# KiCad board sizif128.kicad_pcb (continued)
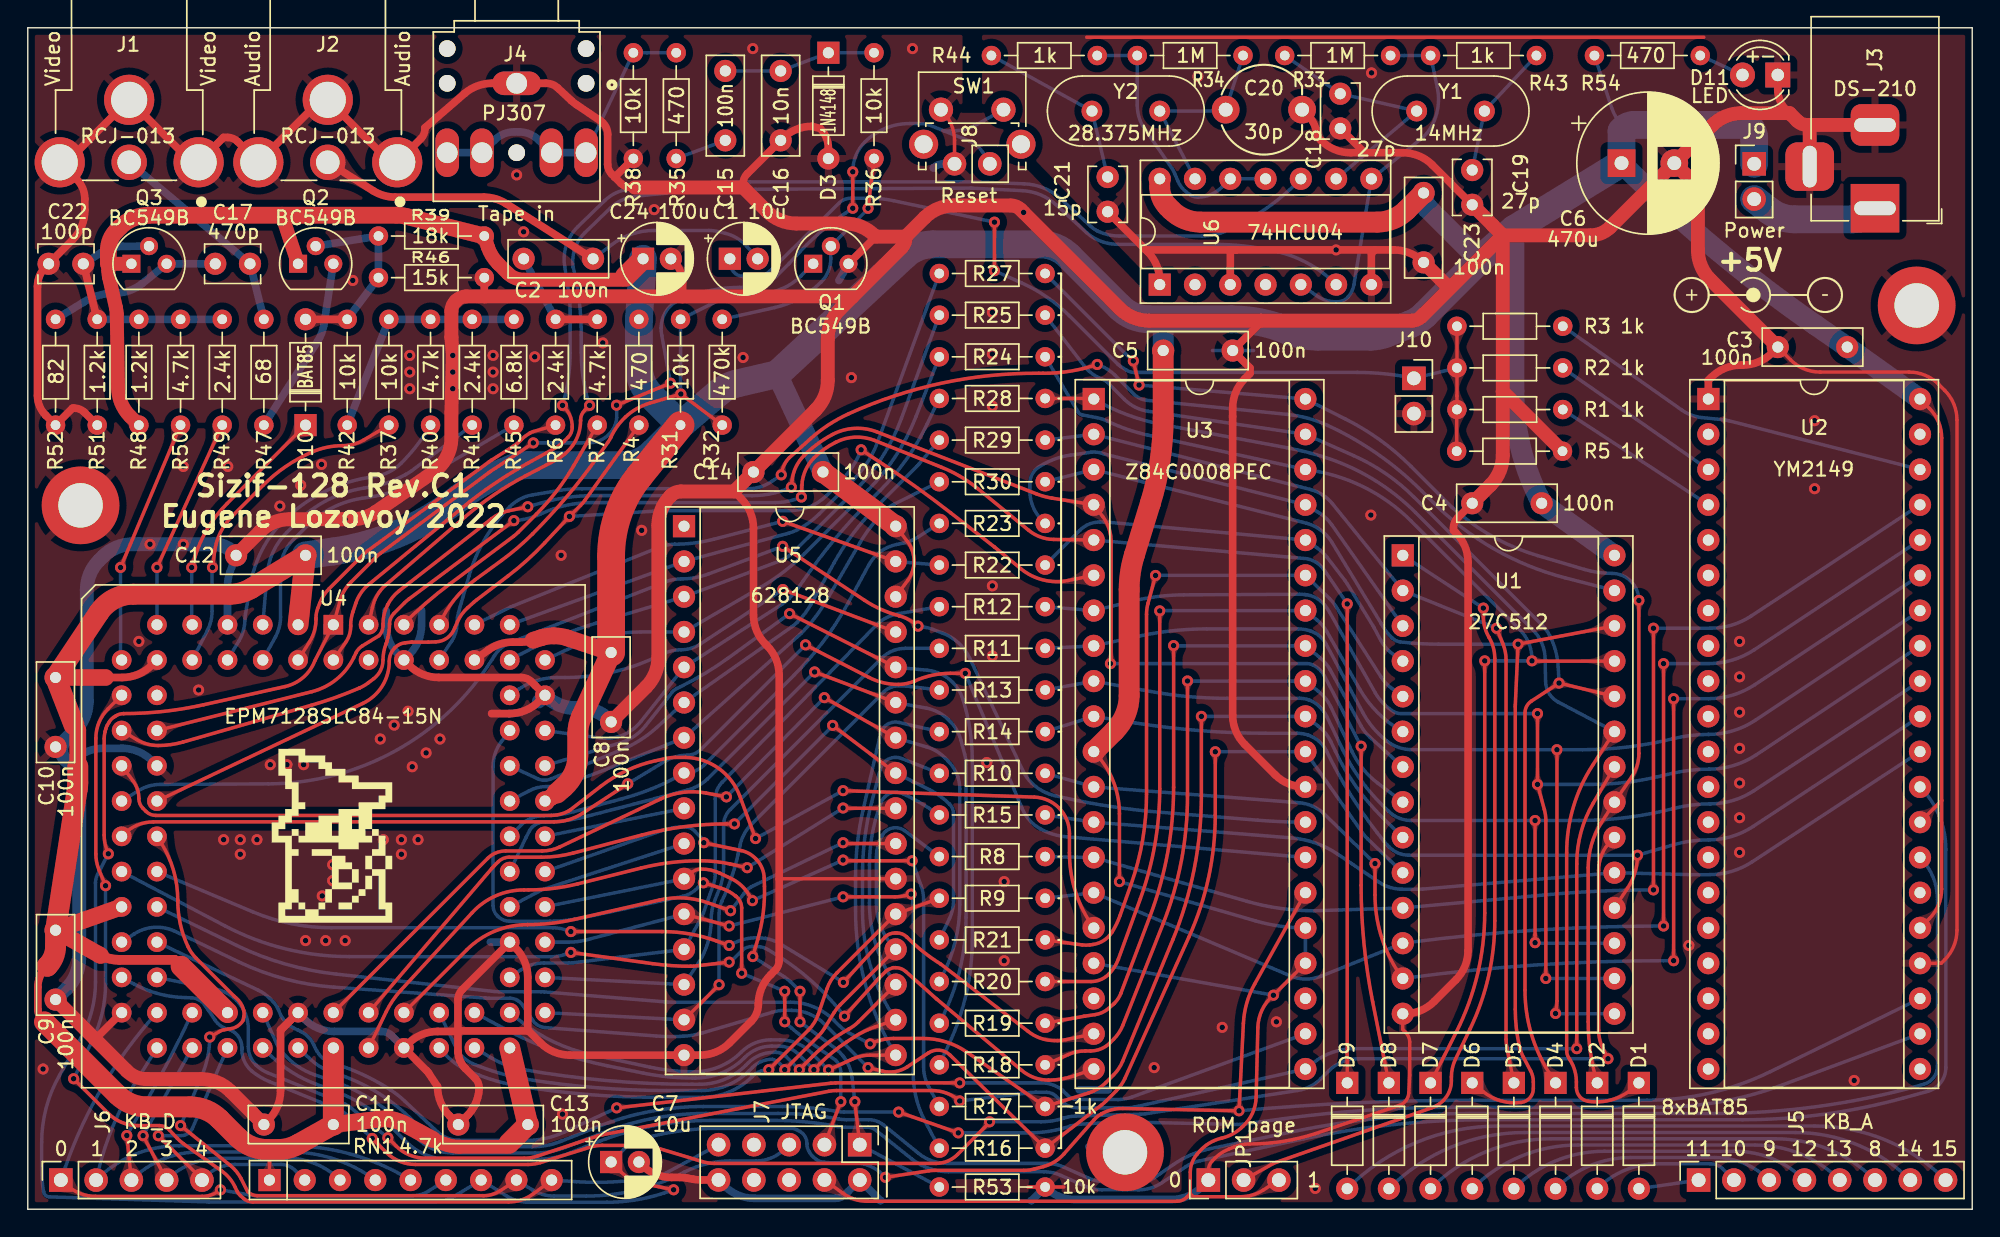
[diagram p0: board, top side]
## Copper pours and planes (outline as drawn; the poured copper is in the pictures) (continued)
SOUND on Top: 39.21,69.08 39.36,68.98 39.48,68.88 39.57,68.79 39.65,68.7 39.71,68.6 39.77,68.51 39.82,68.41 39.88,68.3 39.94,68.17 40.02,68.04 41.04,68.25 40.79,69.25 40.64,69.27 40.5,69.28 40.37,69.28 40.26,69.28 40.15,69.29 40.04,69.31 39.92,69.34 39.8,69.38 39.66,69.45 39.5,69.54
SOUND on Top: 24.98,73.61 24.59,73.87 24.27,74.09 24,74.31 23.78,74.51 23.59,74.72 23.42,74.93 23.25,75.17 23.08,75.44 22.9,75.74 22.68,76.09 21.06,75.75 21.46,74.14 21.87,74.1 22.22,74.06 22.53,74.03 22.82,73.98 23.09,73.92 23.36,73.84 23.64,73.73 23.94,73.58 24.29,73.39 24.69,73.15
SOUND on Top: 38.53,69.51 38.78,69.35 38.98,69.21 39.16,69.09 39.3,68.97 39.43,68.85 39.55,68.72 39.66,68.58 39.77,68.43 39.89,68.25 40.02,68.04 41.04,68.25 40.79,69.25 40.55,69.28 40.33,69.31 40.15,69.35 39.97,69.39 39.81,69.44 39.65,69.51 39.48,69.59 39.29,69.69 39.07,69.82 38.83,69.97
SOUND on Top: 23.9,74.29 23.66,74.46 23.47,74.62 23.33,74.78 23.22,74.94 23.13,75.1 23.06,75.27 22.99,75.45 22.91,75.65 22.81,75.86 22.68,76.09 21.06,75.75 21.46,74.14 21.72,74.12 21.96,74.13 22.17,74.14 22.36,74.15 22.54,74.16 22.73,74.16 22.92,74.13 23.12,74.07 23.35,73.97 23.61,73.82
SOUND on Bottom: 43.43,70.35 43.03,70.21 42.7,70.07 42.41,69.95 42.17,69.83 41.94,69.71 41.72,69.61 41.48,69.51 41.22,69.41 40.91,69.33 40.54,69.24 40.38,68.22 41.41,68.1 41.58,68.42 41.72,68.7 41.86,68.95 42.01,69.17 42.16,69.36 42.34,69.53 42.56,69.69 42.82,69.84 43.13,69.98 43.51,70.12
SOUND on Bottom: 50.43,70.11 50.72,69.99 50.96,69.87 51.15,69.73 51.3,69.58 51.41,69.41 51.5,69.22 51.57,69.01 51.64,68.78 51.71,68.53 51.78,68.25 52.81,68.16 52.8,69.22 52.51,69.33 52.27,69.43 52.06,69.54 51.88,69.65 51.71,69.76 51.53,69.88 51.33,69.99 51.11,70.1 50.84,70.22 50.5,70.34
SOUND on Bottom: 51.11,69.77 51.29,69.63 51.43,69.5 51.52,69.37 51.59,69.24 51.63,69.1 51.66,68.96 51.68,68.8 51.7,68.64 51.73,68.45 51.78,68.25 52.81,68.16 52.86,69.2 52.66,69.28 52.49,69.35 52.2,69.46 52.07,69.52 51.93,69.58 51.79,69.65 51.64,69.73 51.46,69.84 51.25,69.98
SOUND on Bottom: 41.89,69.52 41.74,69.41 41.6,69.34 41.47,69.3 41.35,69.28 41.24,69.27 41.12,69.27 40.99,69.28 40.86,69.28 40.71,69.27 40.54,69.24 40.38,68.22 41.41,68.1 41.48,68.25 41.53,68.39 41.57,68.52 41.6,68.64 41.63,68.75 41.66,68.86 41.72,68.97 41.79,69.08 41.9,69.2 42.04,69.32
TAPE_IN on Bottom: 32.54,76.33 32.33,76.16 32.13,76.07 31.94,76.06 31.76,76.1 31.58,76.18 31.39,76.3 31.2,76.45 31.01,76.59 30.8,76.74 30.57,76.86 29.78,76.1 30.8,75.5 31,75.65 31.2,75.72 31.4,75.74 31.61,75.72 31.82,75.68 32.04,75.64 32.25,75.63 32.48,75.66 32.7,75.76 32.93,75.94
TAPE_IN on Bottom: 40.81,77.68 40.71,77.51 40.62,77.37 40.52,77.27 40.42,77.19 40.31,77.13 40.2,77.07 40.08,77.01 39.95,76.95 39.81,76.87 39.67,76.76 40.02,75.72 41.05,76.11 41.04,76.29 41.02,76.45 40.98,76.59 40.95,76.71 40.92,76.84 40.9,76.96 40.9,77.09 40.92,77.23 40.96,77.39 41.03,77.57
TAPE_IN on Bottom: 42.82,81.36 42.93,81.59 43.04,81.78 43.14,81.93 43.24,82.06 43.34,82.18 43.45,82.28 43.57,82.39 43.71,82.49 43.86,82.61 44.04,82.76 43.75,83.62 42.9,83.29 42.9,83.07 42.91,82.87 42.91,82.7 42.91,82.54 42.9,82.39 42.88,82.24 42.84,82.07 42.78,81.9 42.7,81.7 42.59,81.46
TAPE_IN on Bottom: 37.47,75.94 37.7,75.76 37.92,75.66 38.15,75.63 38.36,75.64 38.58,75.68 38.79,75.72 39,75.74 39.2,75.72 39.4,75.65 39.6,75.5 40.62,76.1 39.83,76.86 39.6,76.74 39.39,76.59 39.2,76.45 39.01,76.3 38.82,76.18 38.64,76.1 38.46,76.06 38.27,76.07 38.07,76.16 37.86,76.33
TAPE_IN on Bottom: 41.17,78.45 41.03,78.17 40.9,77.94 40.78,77.75 40.66,77.59 40.53,77.46 40.39,77.33 40.24,77.21 40.08,77.08 39.88,76.93 39.67,76.76 40.02,75.72 41.05,76.11 41.04,76.39 41.04,76.63 41.03,76.84 41.03,77.03 41.04,77.22 41.06,77.4 41.11,77.6 41.18,77.81 41.27,78.06 41.4,78.34
TAPE_IN on Bottom: 45.3,83.17 45.46,83.17 45.59,83.14 45.7,83.11 45.8,83.06 45.89,83.01 45.97,82.95 46.05,82.88 46.14,82.81 46.25,82.74 46.38,82.67 47.04,83.3 46.38,83.93 46.25,83.86 46.14,83.79 46.05,83.72 45.97,83.65 45.89,83.59 45.8,83.54 45.7,83.49 45.59,83.46 45.46,83.43 45.3,83.42
TAPE_IN on Bottom: 39.97,76.26 39.84,76.05 39.68,75.94 39.52,75.92 39.34,75.98 39.15,76.09 38.95,76.23 38.74,76.4 38.52,76.57 38.3,76.73 38.07,76.86 37.28,76.1 38.47,75.74 38.6,75.91 38.78,75.98 38.98,75.97 39.21,75.91 39.45,75.83 39.68,75.75 39.92,75.71 40.13,75.72 40.32,75.82 40.47,76.03
TAPE_IN on Bottom: 44.59,83.17 44.84,83.17 45.06,83.16 45.25,83.13 45.41,83.1 45.56,83.06 45.7,83 45.84,82.94 46,82.86 46.18,82.77 46.38,82.67 47.04,83.3 46.38,83.93 46.18,83.83 46,83.74 45.84,83.66 45.7,83.6 45.56,83.54 45.41,83.5 45.25,83.47 45.06,83.44 44.84,83.43 44.59,83.42
TAPE_IN on Bottom: 35.26,77.32 35.57,77.32 35.83,77.28 36.04,77.2 36.23,77.08 36.38,76.93 36.51,76.76 36.62,76.55 36.71,76.33 36.81,76.08 36.9,75.82 38,75.8 37.65,76.95 37.34,76.96 37.09,77.02 36.88,77.13 36.69,77.27 36.51,77.41 36.32,77.56 36.11,77.69 35.87,77.8 35.58,77.86 35.22,77.87
TAPE_IN on Bottom: 35.18,77.87 34.82,77.86 34.53,77.8 34.29,77.69 34.08,77.56 33.89,77.41 33.71,77.27 33.52,77.13 33.31,77.02 33.06,76.96 32.75,76.95 32.4,75.8 33.5,75.82 33.59,76.08 33.69,76.33 33.78,76.55 33.89,76.76 34.02,76.93 34.17,77.08 34.36,77.2 34.57,77.28 34.83,77.32 35.14,77.32
TAPE_IN on Bottom: 34.23,77.73 33.97,77.63 33.76,77.54 33.58,77.45 33.42,77.37 33.13,77.21 32.99,77.14 32.83,77.06 32.64,76.98 32.42,76.9 32.4,75.8 33.5,75.82 33.56,76.02 33.61,76.2 33.66,76.36 33.7,76.52 33.76,76.66 33.83,76.79 33.92,76.91 34.05,77.02 34.21,77.12 34.42,77.21
TAPE_IN on Bottom: 35.98,77.21 36.19,77.12 36.35,77.02 36.48,76.91 36.57,76.79 36.64,76.66 36.7,76.52 36.74,76.36 36.79,76.2 36.84,76.02 36.9,75.82 38,75.8 37.98,76.9 37.76,76.98 37.57,77.06 37.41,77.14 37.27,77.21 36.98,77.37 36.82,77.45 36.64,77.54 36.43,77.63 36.17,77.73
TAPE_IN on Bottom: 43.12,81.99 43.2,82.13 43.27,82.25 43.35,82.33 43.44,82.4 43.52,82.45 43.61,82.5 43.71,82.55 43.81,82.6 43.92,82.67 44.04,82.76 43.75,83.62 42.9,83.29 42.91,83.15 42.93,83.02 42.95,82.91 42.97,82.8 42.99,82.7 43.01,82.6 43.01,82.49 42.99,82.38 42.96,82.25 42.89,82.1
TAPE_IN on Bottom: 30.21,75.82 30.51,75.82 30.76,75.82 30.99,75.8 31.18,75.78 31.36,75.74 31.54,75.7 31.71,75.64 31.89,75.56 32.08,75.46 32.3,75.35 33.12,76.1 32.3,76.85 32.08,76.74 31.89,76.64 31.71,76.56 31.54,76.5 31.36,76.46 31.18,76.42 30.99,76.4 30.76,76.38 30.51,76.38 30.21,76.38
TAPE_IN on Bottom: 45.7,83.42 45.44,83.43 45.23,83.44 45.04,83.47 44.88,83.5 44.73,83.54 44.59,83.6 44.44,83.66 44.29,83.74 44.11,83.83 43.91,83.93 43.25,83.3 43.91,82.67 44.11,82.77 44.29,82.86 44.44,82.94 44.59,83 44.73,83.06 44.88,83.1 45.04,83.13 45.23,83.16 45.44,83.17 45.7,83.17
TAPE_IN on Bottom: 45,83.42 44.84,83.43 44.7,83.46 44.59,83.49 44.49,83.54 44.41,83.59 44.32,83.65 44.24,83.72 44.14,83.79 44.04,83.86 43.91,83.93 43.25,83.3 43.91,82.67 44.04,82.74 44.14,82.81 44.24,82.88 44.32,82.95 44.41,83.01 44.49,83.06 44.59,83.11 44.7,83.14 44.84,83.17 45,83.17
TAPE_IN0 on Top: 30.2,43.42 30.1,43.28 30,43.17 29.91,43.09 29.82,43.03 29.72,42.97 29.63,42.93 29.53,42.88 29.42,42.82 29.31,42.75 29.18,42.66 29.46,41.78 30.33,42.1 30.32,42.24 30.31,42.37 30.29,42.49 30.26,42.6 30.25,42.7 30.24,42.8 30.25,42.91 30.27,43.02 30.33,43.15 30.41,43.29
TAPE_IN0 on Top: 30.63,44.01 30.46,43.8 30.31,43.62 30.17,43.48 30.05,43.35 29.93,43.25 29.81,43.14 29.68,43.04 29.37,42.81 29.18,42.66 29.46,41.78 30.33,42.1 30.33,42.32 30.33,42.52 30.33,42.69 30.34,42.86 30.36,43.01 30.4,43.16 30.47,43.31 30.55,43.47 30.67,43.65 30.82,43.85
TAPE_IN0 on Top: 45.91,58.26 46.05,58.3 46.17,58.33 46.28,58.36 46.37,58.37 46.46,58.38 46.54,58.38 46.63,58.37 46.73,58.36 46.83,58.35 46.96,58.33 47.21,58.78 46.75,59.02 46.66,58.93 46.58,58.86 46.51,58.8 46.43,58.75 46.36,58.7 46.28,58.66 46.2,58.62 46.1,58.59 45.98,58.55 45.84,58.5
TAPE_IN0 on Top: 48.81,57.22 48.94,57.11 49.03,57.01 49.1,56.92 49.15,56.82 49.18,56.73 49.21,56.63 49.24,56.53 49.27,56.41 49.32,56.29 49.38,56.16 50.28,56.27 50.13,57.17 49.99,57.19 49.86,57.2 49.75,57.2 49.64,57.19 49.54,57.19 49.43,57.2 49.33,57.22 49.22,57.26 49.1,57.32 48.96,57.42
TAPE_IN0 on Bottom: 47.12,62.71 47.13,62.87 47.16,63.01 47.19,63.12 47.24,63.21 47.29,63.3 47.35,63.38 47.42,63.47 47.49,63.56 47.56,63.67 47.63,63.79 47,64.45 46.37,63.79 46.44,63.67 46.51,63.56 46.58,63.47 46.65,63.38 46.71,63.3 46.76,63.21 46.81,63.12 46.84,63.01 46.87,62.87 46.88,62.71
TAPE_IN0 on Bottom: 54.67,66.34 54.96,66.49 55.2,66.63 55.4,66.76 55.58,66.88 55.74,66.99 55.91,67.09 56.08,67.19 56.27,67.29 56.49,67.39 56.76,67.49 56.78,68.33 55.94,68.31 55.85,68.05 55.76,67.82 55.68,67.62 55.6,67.44 55.5,67.28 55.38,67.13 55.23,66.99 55.05,66.85 54.83,66.71 54.56,66.56
TAPE_IN0 on Bottom: 48.19,64.83 48.04,64.77 47.91,64.73 47.79,64.71 47.69,64.71 47.59,64.72 47.49,64.74 47.38,64.76 47.27,64.78 47.14,64.8 46.99,64.8 46.69,63.94 47.55,63.67 47.64,63.79 47.7,63.9 47.76,64.01 47.8,64.11 47.85,64.2 47.9,64.28 47.96,64.37 48.05,64.45 48.16,64.53 48.3,64.61
TAPE_IN0 on Bottom: 47.12,62.01 47.13,62.27 47.14,62.48 47.17,62.67 47.2,62.83 47.24,62.98 47.3,63.12 47.36,63.26 47.44,63.42 47.53,63.59 47.63,63.79 47,64.45 46.37,63.79 46.47,63.59 46.56,63.42 46.64,63.26 46.7,63.12 46.76,62.98 46.8,62.83 46.83,62.67 46.86,62.48 46.87,62.27 46.88,62.01
TAPE_IN0 on Bottom: 46.88,59.92 46.87,59.77 46.87,59.65 46.86,59.54 46.85,59.44 46.83,59.36 46.81,59.27 46.78,59.19 46.74,59.1 46.7,58.99 46.65,58.88 47.03,58.52 47.37,58.91 47.31,59.02 47.26,59.12 47.22,59.2 47.19,59.29 47.17,59.37 47.15,59.45 47.14,59.55 47.13,59.66 47.13,59.78 47.12,59.92
TAPE_IN0 on Bottom: 48.81,65.15 48.58,65.04 48.38,64.95 48.21,64.89 48.05,64.85 47.9,64.82 47.75,64.81 47.59,64.8 47.41,64.8 47.22,64.8 46.99,64.8 46.69,63.94 47.55,63.67 47.69,63.85 47.81,64.01 47.91,64.15 48.01,64.27 48.12,64.38 48.23,64.49 48.36,64.59 48.51,64.7 48.7,64.8 48.93,64.92
TAPE_IN0 on Bottom: 55.24,66.69 55.43,66.83 55.6,66.94 55.74,67.04 55.87,67.12 56,67.18 56.12,67.24 56.25,67.3 56.4,67.36 56.57,67.42 56.76,67.49 56.78,68.33 55.94,68.31 55.87,68.12 55.78,67.8 55.73,67.66 55.68,67.53 55.61,67.4 55.52,67.28 55.41,67.16 55.27,67.03 55.09,66.89
TAPE_OUT on Top: 28.52,43.7 28.31,43.52 28.13,43.38 27.97,43.27 27.82,43.18 27.68,43.11 27.54,43.05 27.38,42.98 27.21,42.92 27.02,42.85 26.8,42.75 26.85,41.83 27.77,41.91 27.82,42.13 27.88,42.32 27.93,42.49 27.98,42.64 28.04,42.78 28.12,42.91 28.22,43.04 28.34,43.18 28.5,43.34 28.68,43.51
TAPE_OUT on Top: 40.06,54.61 40.19,54.83 40.31,55.01 40.43,55.16 40.54,55.28 40.65,55.38 40.77,55.48 40.89,55.57 41.04,55.67 41.2,55.77 41.39,55.9 41.18,56.78 40.3,56.53 40.29,56.31 40.28,56.11 40.26,55.94 40.25,55.78 40.22,55.63 40.19,55.48 40.14,55.32 40.06,55.15 39.97,54.96 39.84,54.73
TAPE_OUT on Top: 40.41,55.21 40.5,55.35 40.59,55.46 40.67,55.54 40.76,55.59 40.85,55.64 40.95,55.68 41.04,55.72 41.15,55.77 41.27,55.82 41.39,55.9 41.18,56.78 40.3,56.53 40.3,56.39 40.3,56.26 40.32,56.14 40.33,56.04 40.35,55.93 40.35,55.83 40.34,55.73 40.32,55.61 40.27,55.49 40.19,55.34
TAPE_OUT on Top: 27.99,43.22 27.85,43.11 27.73,43.03 27.62,42.97 27.51,42.93 27.41,42.91 27.31,42.89 27.2,42.87 27.08,42.85 26.95,42.81 26.8,42.75 26.85,41.83 27.77,41.91 27.8,42.06 27.82,42.18 27.83,42.3 27.84,42.41 27.85,42.51 27.87,42.61 27.9,42.71 27.96,42.81 28.04,42.92 28.16,43.04
TCK on Top: 55.47,14.69 55.47,14.55 55.47,14.42 55.46,14.32 55.45,14.22 55.43,14.14 55.41,14.05 55.38,13.97 55.34,13.88 55.29,13.79 55.24,13.67 55.6,13.3 55.96,13.67 55.91,13.79 55.86,13.88 55.82,13.97 55.79,14.05 55.77,14.14 55.75,14.22 55.74,14.32 55.73,14.42 55.73,14.55 55.72,14.69
TCK on Top: 59.49,7.16 59.52,6.85 59.53,6.59 59.52,6.36 59.5,6.16 59.47,5.98 59.42,5.8 59.35,5.62 59.28,5.42 59.19,5.19 59.1,4.93 59.95,4.23 60.62,5.1 60.47,5.34 60.33,5.54 60.22,5.71 60.12,5.88 60.03,6.04 59.95,6.21 59.88,6.4 59.83,6.62 59.78,6.88 59.74,7.19
TCK on Top: 52.41,19.38 52.37,19.24 52.33,19.12 52.29,19.02 52.26,18.94 52.21,18.86 52.17,18.79 52.12,18.72 52.06,18.64 51.99,18.56 51.9,18.47 52.14,18.01 52.59,18.27 52.57,18.39 52.56,18.5 52.55,18.59 52.54,18.68 52.54,18.76 52.55,18.85 52.56,18.95 52.58,19.05 52.61,19.17 52.65,19.31
TCK on Top: 59.59,6.32 59.6,6.12 59.59,5.95 59.56,5.81 59.51,5.69 59.45,5.58 59.39,5.47 59.31,5.36 59.24,5.24 59.17,5.1 59.1,4.93 59.95,4.23 60.62,5.1 60.51,5.25 60.41,5.37 60.31,5.48 60.22,5.57 60.13,5.66 60.05,5.75 59.97,5.86 59.91,5.99 59.87,6.15 59.83,6.34
TCK on Top: 55.72,14.51 55.73,14.65 55.73,14.78 55.74,14.88 55.75,14.98 55.77,15.06 55.79,15.15 55.82,15.23 55.86,15.32 55.91,15.41 55.96,15.53 55.6,15.9 55.24,15.53 55.29,15.41 55.34,15.32 55.38,15.23 55.41,15.15 55.43,15.06 55.45,14.98 55.46,14.88 55.47,14.78 55.47,14.65 55.47,14.51
TCK on Bottom: 47.28,27.42 47.48,27.42 47.66,27.38 47.81,27.32 47.94,27.24 48.04,27.14 48.13,27.02 48.19,26.89 48.24,26.74 48.26,26.57 48.28,26.39 48.77,26.22 48.67,26.8 48.48,26.82 48.33,26.89 48.21,26.99 48.11,27.11 48.02,27.24 47.92,27.37 47.81,27.49 47.67,27.59 47.49,27.65 47.27,27.67
TCK on Bottom: 56.63,12.88 56.51,12.97 56.42,13.05 56.34,13.12 56.27,13.19 56.21,13.25 56.16,13.32 56.11,13.39 56.06,13.48 56.01,13.57 55.96,13.68 55.44,13.62 55.52,13.11 55.64,13.08 55.75,13.06 55.84,13.04 55.93,13.01 56.01,12.98 56.09,12.94 56.17,12.9 56.26,12.84 56.36,12.77 56.47,12.68
TCK on Bottom: 54.26,16.72 54.44,16.62 54.59,16.52 54.71,16.42 54.82,16.33 54.91,16.23 54.98,16.13 55.04,16.02 55.1,15.89 55.16,15.74 55.22,15.57 55.74,15.56 55.73,16.08 55.56,16.15 55.41,16.22 55.29,16.29 55.18,16.36 55.07,16.44 54.97,16.53 54.86,16.62 54.73,16.72 54.57,16.83 54.38,16.94
TCK on Bottom: 38.54,24.91 38.38,24.86 38.24,24.84 38.12,24.83 38.01,24.84 37.91,24.87 37.81,24.9 37.71,24.94 37.6,24.97 37.47,25 37.32,25.03 36.9,24.2 37.74,23.82 37.85,23.93 37.93,24.03 37.99,24.13 38.05,24.23 38.11,24.31 38.17,24.39 38.25,24.47 38.35,24.54 38.47,24.61 38.62,24.67
TCK on Bottom: 53.27,17.66 53.15,17.74 53.05,17.81 52.96,17.88 52.89,17.94 52.83,18 52.77,18.06 52.72,18.13 52.66,18.21 52.61,18.3 52.54,18.41 52.03,18.31 52.15,17.8 52.27,17.79 52.38,17.77 52.48,17.76 52.56,17.74 52.64,17.71 52.73,17.68 52.81,17.64 52.91,17.59 53.01,17.53 53.13,17.45
TCK on Bottom: 39.21,25.14 38.96,25.06 38.75,25 38.56,24.96 38.4,24.94 38.24,24.93 38.09,24.94 37.92,24.95 37.75,24.97 37.55,25 37.32,25.03 36.9,24.2 37.74,23.82 37.91,23.98 38.04,24.13 38.17,24.25 38.29,24.37 38.4,24.47 38.53,24.56 38.68,24.65 38.85,24.73 39.05,24.82 39.29,24.91
TCK on Bottom: 63.73,2.47 63.95,2.35 64.13,2.23 64.29,2.13 64.41,2.02 64.52,1.91 64.62,1.8 64.72,1.67 64.82,1.53 64.93,1.37 65.06,1.19 65.94,1.44 65.66,2.3 65.43,2.31 65.23,2.31 65.06,2.32 64.9,2.33 64.75,2.34 64.6,2.37 64.44,2.42 64.27,2.49 64.07,2.58 63.84,2.69
TCK on Bottom: 64.34,2.14 64.48,2.06 64.59,1.98 64.67,1.89 64.74,1.81 64.79,1.72 64.83,1.63 64.87,1.53 64.92,1.42 64.98,1.31 65.06,1.19 65.94,1.44 65.66,2.3 65.51,2.3 65.38,2.29 65.27,2.27 65.16,2.25 65.06,2.23 64.96,2.23 64.85,2.23 64.74,2.25 64.61,2.29 64.46,2.36
TCK on Bottom: 62.2,3.57 61.93,3.72 61.71,3.86 61.52,3.99 61.37,4.12 61.24,4.26 61.12,4.4 61.01,4.55 60.88,4.73 60.75,4.93 60.59,5.15 59.52,4.85 59.87,3.8 60.15,3.79 60.39,3.79 60.6,3.79 60.79,3.78 60.98,3.76 61.16,3.72 61.35,3.67 61.57,3.59 61.81,3.49 62.08,3.35
TCK on Bottom: 61.45,3.97 61.28,4.07 61.15,4.17 61.05,4.28 60.98,4.38 60.92,4.49 60.87,4.61 60.82,4.73 60.76,4.86 60.69,5 60.59,5.15 59.52,4.85 59.87,3.8 60.05,3.8 60.21,3.82 60.35,3.84 60.48,3.87 60.6,3.89 60.72,3.91 60.85,3.9 60.99,3.88 61.15,3.83 61.33,3.75
TDI on Top: 4.23,8.65 4.13,8.75 4.04,8.84 3.98,8.92 3.92,9 3.87,9.07 3.83,9.14 3.79,9.22 3.76,9.31 3.72,9.41 3.68,9.53 3.16,9.54 3.17,9.02 3.29,8.98 3.39,8.94 3.48,8.91 3.56,8.87 3.63,8.83 3.7,8.78 3.78,8.72 3.86,8.66 3.95,8.57 4.05,8.47
TDI on Top: 5.03,24.35 5.09,24.22 5.13,24.1 5.16,24 5.18,23.91 5.2,23.82 5.21,23.74 5.21,23.65 5.21,23.56 5.21,23.45 5.2,23.32 5.68,23.12 5.87,23.6 5.77,23.68 5.7,23.75 5.63,23.82 5.57,23.89 5.51,23.95 5.47,24.03 5.42,24.11 5.37,24.2 5.32,24.32 5.26,24.45
TDI on Top: 34.97,0.42 35.37,0.48 35.71,0.56 35.99,0.66 36.23,0.76 36.46,0.87 36.67,0.98 36.9,1.08 37.16,1.17 37.45,1.25 37.81,1.3 38.04,2.34 37.01,2.47 36.85,2.16 36.71,1.88 36.58,1.63 36.43,1.41 36.28,1.22 36.1,1.06 35.88,0.92 35.63,0.81 35.32,0.73 34.94,0.67
TDI on Top: 36.52,1.04 36.68,1.15 36.82,1.22 36.95,1.26 37.07,1.28 37.18,1.29 37.3,1.29 37.42,1.28 37.56,1.28 37.71,1.29 37.87,1.31 38.04,2.34 37.01,2.47 36.94,2.31 36.89,2.17 36.85,2.04 36.82,1.92 36.79,1.81 36.76,1.7 36.7,1.59 36.62,1.48 36.52,1.36 36.37,1.24
TDI on Top: 5.45,35.42 5.58,35.62 5.72,35.78 5.85,35.91 5.98,36 6.12,36.07 6.26,36.13 6.42,36.18 6.59,36.23 6.78,36.28 6.99,36.35 7.01,37.27 6.09,37.25 6.01,37.04 5.94,36.85 5.88,36.69 5.81,36.54 5.74,36.41 5.67,36.27 5.59,36.12 5.49,35.96 5.23,35.55
TDI on Top: 5.16,34.8 5.28,35.11 5.4,35.36 5.53,35.57 5.68,35.74 5.84,35.87 6.02,35.98 6.23,36.08 6.46,36.16 6.71,36.25 6.99,36.35 7.01,37.27 6.08,37.24 5.98,36.94 5.87,36.69 5.75,36.48 5.64,36.29 5.52,36.11 5.4,35.93 5.29,35.73 5.17,35.5 5.05,35.22 4.93,34.87
TDI on Bottom: 39.31,2.12 39.13,2.14 38.98,2.18 38.85,2.23 38.75,2.29 38.66,2.36 38.57,2.44 38.48,2.53 38.38,2.61 38.26,2.71 38.12,2.8 37.32,2.13 38.02,1.36 38.17,1.43 38.3,1.5 38.41,1.58 38.52,1.65 38.61,1.72 38.71,1.78 38.83,1.82 38.96,1.86 39.11,1.87 39.3,1.87
TDI on Bottom: 3.71,10.52 3.65,10.39 3.59,10.29 3.53,10.19 3.48,10.12 3.43,10.05 3.37,9.98 3.31,9.92 3.23,9.86 3.15,9.79 3.05,9.71 3.21,9.22 3.7,9.4 3.7,9.52 3.7,9.63 3.71,9.73 3.72,9.81 3.73,9.9 3.75,9.98 3.78,10.07 3.82,10.17 3.87,10.28 3.94,10.41
TDI on Bottom: 48.31,3.74 48.49,3.82 48.65,3.88 48.79,3.9 48.92,3.9 49.04,3.89 49.17,3.87 49.3,3.84 49.44,3.82 49.6,3.8 49.78,3.8 50.11,4.85 49.05,5.15 48.95,5 48.88,4.86 48.82,4.73 48.77,4.6 48.72,4.49 48.66,4.38 48.59,4.27 48.49,4.17 48.36,4.06 48.19,3.96
TDI on Bottom: 47.56,3.34 47.84,3.48 48.08,3.59 48.29,3.66 48.48,3.72 48.67,3.75 48.85,3.77 49.05,3.78 49.26,3.79 49.5,3.79 49.78,3.8 50.11,4.85 49.05,5.15 48.89,4.92 48.76,4.72 48.63,4.55 48.52,4.39 48.4,4.25 48.27,4.12 48.12,3.98 47.94,3.85 47.72,3.71 47.44,3.56
TDI on Bottom: 41.07,2.06 40.65,2.06 40.29,2.07 39.98,2.09 39.71,2.13 39.46,2.18 39.22,2.25 38.98,2.34 38.72,2.46 38.44,2.61 38.12,2.8 37.32,2.13 38.02,1.36 38.37,1.5 38.67,1.6 38.94,1.68 39.19,1.74 39.44,1.77 39.69,1.8 39.97,1.81 40.28,1.81 40.64,1.81 41.07,1.81
TDI on Bottom: 5.72,22.11 5.73,22.25 5.73,22.38 5.74,22.48 5.75,22.58 5.77,22.66 5.79,22.75 5.82,22.83 5.86,22.92 5.91,23.01 5.96,23.13 5.6,23.5 5.24,23.13 5.29,23.01 5.34,22.92 5.38,22.83 5.41,22.75 5.43,22.66 5.45,22.58 5.46,22.48 5.47,22.38 5.47,22.25 5.47,22.11
TDO on Top: 58.15,7.07 58.03,6.78 57.92,6.54 57.81,6.34 57.7,6.18 57.58,6.03 57.46,5.89 57.32,5.76 57.16,5.62 56.98,5.46 56.78,5.27 57.21,4.25 58.21,4.72 58.18,5 58.15,5.24 58.13,5.45 58.11,5.64 58.11,5.83 58.12,6.02 58.15,6.21 58.2,6.43 58.28,6.69 58.38,6.98
TDO on Top: 49.82,23.29 49.68,23.33 49.56,23.37 49.46,23.41 49.38,23.45 49.3,23.49 49.23,23.54 49.16,23.59 49.08,23.65 49,23.72 48.91,23.81 48.45,23.57 48.7,23.12 48.83,23.14 48.93,23.15 49.03,23.16 49.12,23.17 49.2,23.17 49.29,23.16 49.38,23.14 49.49,23.12 49.6,23.09 49.74,23.05
TDO on Top: 54.62,14.51 54.63,14.65 54.63,14.78 54.64,14.88 54.65,14.98 54.67,15.06 54.69,15.15 54.72,15.23 54.76,15.32 54.81,15.41 54.86,15.53 54.5,15.9 54.14,15.53 54.19,15.41 54.24,15.32 54.28,15.23 54.31,15.15 54.33,15.06 54.35,14.98 54.36,14.88 54.37,14.78 54.37,14.65 54.38,14.51
TDO on Top: 57.84,6.27 57.76,6.09 57.68,5.95 57.59,5.84 57.49,5.75 57.39,5.68 57.28,5.62 57.17,5.55 57.04,5.48 56.91,5.39 56.78,5.27 57.21,4.25 58.21,4.72 58.18,4.9 58.15,5.06 58.1,5.19 58.06,5.32 58.02,5.44 57.99,5.56 57.98,5.69 57.99,5.83 58.02,5.99 58.08,6.18
TDO on Top: 54.38,14.69 54.37,14.55 54.37,14.42 54.36,14.32 54.35,14.22 54.33,14.14 54.31,14.05 54.28,13.97 54.24,13.88 54.19,13.79 54.14,13.67 54.5,13.3 54.86,13.67 54.81,13.79 54.76,13.88 54.72,13.97 54.69,14.05 54.67,14.14 54.65,14.22 54.64,14.32 54.63,14.42 54.63,14.55 54.62,14.69
TDO on Top: 58.23,6.59 58.29,6.73 58.33,6.84 58.38,6.94 58.42,7.02 58.47,7.09 58.52,7.16 58.58,7.23 58.65,7.3 58.72,7.37 58.81,7.46 58.61,7.94 58.14,7.72 58.15,7.59 58.16,7.48 58.16,7.39 58.16,7.3 58.15,7.21 58.14,7.13 58.12,7.04 58.09,6.93 58.05,6.82 58,6.68
TDO on Top: 51.28,18.19 51.27,18.05 51.27,17.92 51.26,17.82 51.25,17.72 51.23,17.64 51.21,17.55 51.18,17.47 51.14,17.38 51.09,17.29 51.04,17.17 51.4,16.8 51.76,17.17 51.71,17.29 51.66,17.38 51.62,17.47 51.59,17.55 51.57,17.64 51.55,17.72 51.54,17.82 51.53,17.92 51.53,18.05 51.53,18.19
TDO on Bottom: 33.87,33.04 33.95,33.21 34.04,33.35 34.14,33.45 34.24,33.52 34.34,33.58 34.46,33.63 34.72,33.72 34.86,33.77 35.02,33.85 34.92,34.76 34,34.62 33.97,34.44 33.94,34.28 33.9,34.02 33.88,33.9 33.86,33.78 33.83,33.65 33.78,33.5 33.72,33.34 33.64,33.14
TDO on Bottom: 47.69,22.59 47.83,22.67 47.95,22.74 48.05,22.8 48.22,22.91 48.3,22.96 48.39,23.01 48.49,23.05 48.6,23.09 48.73,23.12 48.8,23.64 48.28,23.68 48.22,23.56 48.18,23.45 48.13,23.35 48.09,23.26 48.04,23.18 47.98,23.11 47.91,23.03 47.82,22.96 47.71,22.89 47.58,22.82
TDO on Bottom: 52.55,16.66 52.41,16.71 52.3,16.76 52.21,16.81 52.13,16.86 52.05,16.91 51.99,16.96 51.92,17.02 51.85,17.09 51.78,17.17 51.7,17.26 51.22,17.08 51.42,16.6 51.55,16.61 51.65,16.61 51.75,16.61 51.84,16.61 51.92,16.6 52.01,16.58 52.1,16.56 52.2,16.52 52.32,16.48 52.45,16.42
TDO on Bottom: 55.71,12.63 55.56,12.74 55.43,12.83 55.33,12.92 55.24,13 55.17,13.09 55.1,13.18 55.04,13.27 54.99,13.38 54.93,13.5 54.87,13.65 54.35,13.63 54.39,13.12 54.54,13.07 54.67,13.02 54.78,12.97 54.88,12.92 54.97,12.86 55.07,12.79 55.17,12.72 55.41,12.54 55.56,12.43
TDO on Bottom: 58.41,8.94 58.41,8.8 58.41,8.67 58.4,8.57 58.39,8.47 58.37,8.39 58.35,8.3 58.32,8.22 58.28,8.13 58.23,8.04 58.18,7.92 58.54,7.55 58.9,7.92 58.85,8.04 58.8,8.13 58.76,8.22 58.73,8.3 58.71,8.39 58.69,8.47 58.68,8.57 58.67,8.67 58.67,8.8 58.66,8.94
TDO on Bottom: 33.67,32.39 33.73,32.66 33.8,32.88 33.89,33.06 34,33.21 34.12,33.34 34.26,33.44 34.42,33.54 34.6,33.64 34.8,33.74 35.02,33.85 34.92,34.76 34,34.6 33.95,34.34 33.89,34.11 33.84,33.92 33.78,33.74 33.72,33.57 33.66,33.4 33.6,33.21 33.54,32.99 33.48,32.74 33.42,32.44
TDO on Bottom: 53.35,16.04 53.49,15.99 53.6,15.94 53.69,15.89 53.77,15.84 53.85,15.79 53.91,15.74 53.98,15.68 54.05,15.61 54.12,15.53 54.2,15.44 54.68,15.62 54.48,16.1 54.35,16.09 54.25,16.09 54.15,16.09 54.06,16.09 53.98,16.1 53.89,16.12 53.8,16.14 53.7,16.18 53.58,16.22 53.45,16.28
TMS on Top: 33.32,0.9 33.59,0.97 33.81,1.02 34.18,1.11 34.34,1.14 34.5,1.18 34.66,1.21 34.84,1.24 35.04,1.27 35.29,1.31 35.51,2.32 34.49,2.51 34.38,2.31 34.29,2.12 34.21,1.95 34.14,1.79 34.06,1.64 33.96,1.51 33.85,1.4 33.7,1.3 33.5,1.22 33.26,1.15
TMS on Top: 14.15,13.06 14,13.03 13.87,13 13.76,12.97 13.67,12.94 13.5,12.88 13.41,12.85 13.31,12.83 13.2,12.81 13.07,12.8 12.93,12.3 13.43,12.17 13.5,12.27 13.61,12.45 13.66,12.53 13.72,12.59 13.78,12.65 13.85,12.7 13.94,12.75 14.05,12.78 14.19,12.81
TMS on Top: 12.01,5.38 11.9,5.47 11.8,5.55 11.72,5.62 11.66,5.69 11.6,5.76 11.55,5.83 11.51,5.9 11.46,5.99 11.41,6.08 11.36,6.2 10.84,6.15 10.91,5.63 11.03,5.61 11.14,5.58 11.23,5.55 11.31,5.53 11.39,5.49 11.47,5.45 11.55,5.41 11.64,5.35 11.74,5.27 11.85,5.18
TMS on Top: 10.14,25.68 10.07,25.84 10.02,25.98 10,26.1 9.99,26.21 9.99,26.31 10,26.42 10.01,26.53 10.02,26.65 10.02,26.78 10.01,26.93 9.11,27.16 8.92,26.26 9.05,26.19 9.17,26.13 9.28,26.09 9.39,26.05 9.48,26.01 9.58,25.97 9.67,25.91 9.75,25.83 9.83,25.72 9.91,25.57
TMS on Top: 10.42,25.02 10.33,25.27 10.25,25.49 10.2,25.68 10.15,25.84 10.12,26 10.09,26.15 10.07,26.32 10.05,26.49 10.01,26.93 9.11,27.16 8.92,26.26 9.11,26.14 9.28,26.04 9.43,25.94 9.57,25.85 9.69,25.76 9.8,25.65 9.9,25.52 10,25.36 10.09,25.17 10.19,24.93
TMS on Top: 32.48,0.88 32.83,0.85 33.13,0.86 33.39,0.92 33.62,0.99 33.83,1.08 34.03,1.17 34.24,1.25 34.48,1.31 34.75,1.33 35.06,1.31 35.51,2.32 34.49,2.51 34.34,2.24 34.19,2 34.05,1.77 33.9,1.57 33.75,1.41 33.57,1.27 33.37,1.17 33.13,1.11 32.84,1.09 32.51,1.12
TMS on Bottom: 53.49,3.55 53.69,3.62 53.87,3.66 54.02,3.69 54.16,3.71 54.29,3.72 54.42,3.73 54.55,3.74 54.69,3.76 54.85,3.78 55.04,3.83 55.14,4.93 54.04,4.99 53.98,4.82 53.94,4.67 53.92,4.53 53.9,4.39 53.87,4.26 53.83,4.15 53.78,4.04 53.69,3.94 53.57,3.86 53.4,3.78
TMS on Bottom: 37.85,1.08 37.51,1.1 37.22,1.15 36.98,1.23 36.78,1.33 36.61,1.47 36.45,1.63 36.31,1.82 36.17,2.03 36.02,2.27 35.85,2.53 34.84,2.31 35.17,1.3 35.49,1.28 35.77,1.24 36.02,1.19 36.23,1.13 36.44,1.06 36.66,1 36.89,0.93 37.16,0.88 37.47,0.84 37.84,0.83
TMS on Bottom: 37.09,1.19 36.86,1.27 36.67,1.36 36.52,1.47 36.4,1.58 36.31,1.7 36.22,1.84 36.15,1.99 36.06,2.16 35.97,2.34 35.85,2.53 34.84,2.31 35.1,1.3 35.54,1.26 35.72,1.24 35.88,1.22 36.03,1.2 36.19,1.17 36.35,1.13 36.54,1.08 36.76,1.02 37.02,0.95
TMS on Bottom: 13.12,11.18 13.15,11.33 13.17,11.46 13.19,11.57 13.22,11.66 13.24,11.75 13.27,11.83 13.31,11.91 13.35,12 13.4,12.1 13.45,12.22 13.11,12.6 12.74,12.24 12.78,12.12 12.83,12.03 12.86,11.94 12.89,11.85 12.9,11.77 12.91,11.68 12.92,11.59 12.91,11.49 12.9,11.37 12.88,11.23